# KiCad board Panel2.kicad_pcb (continued)
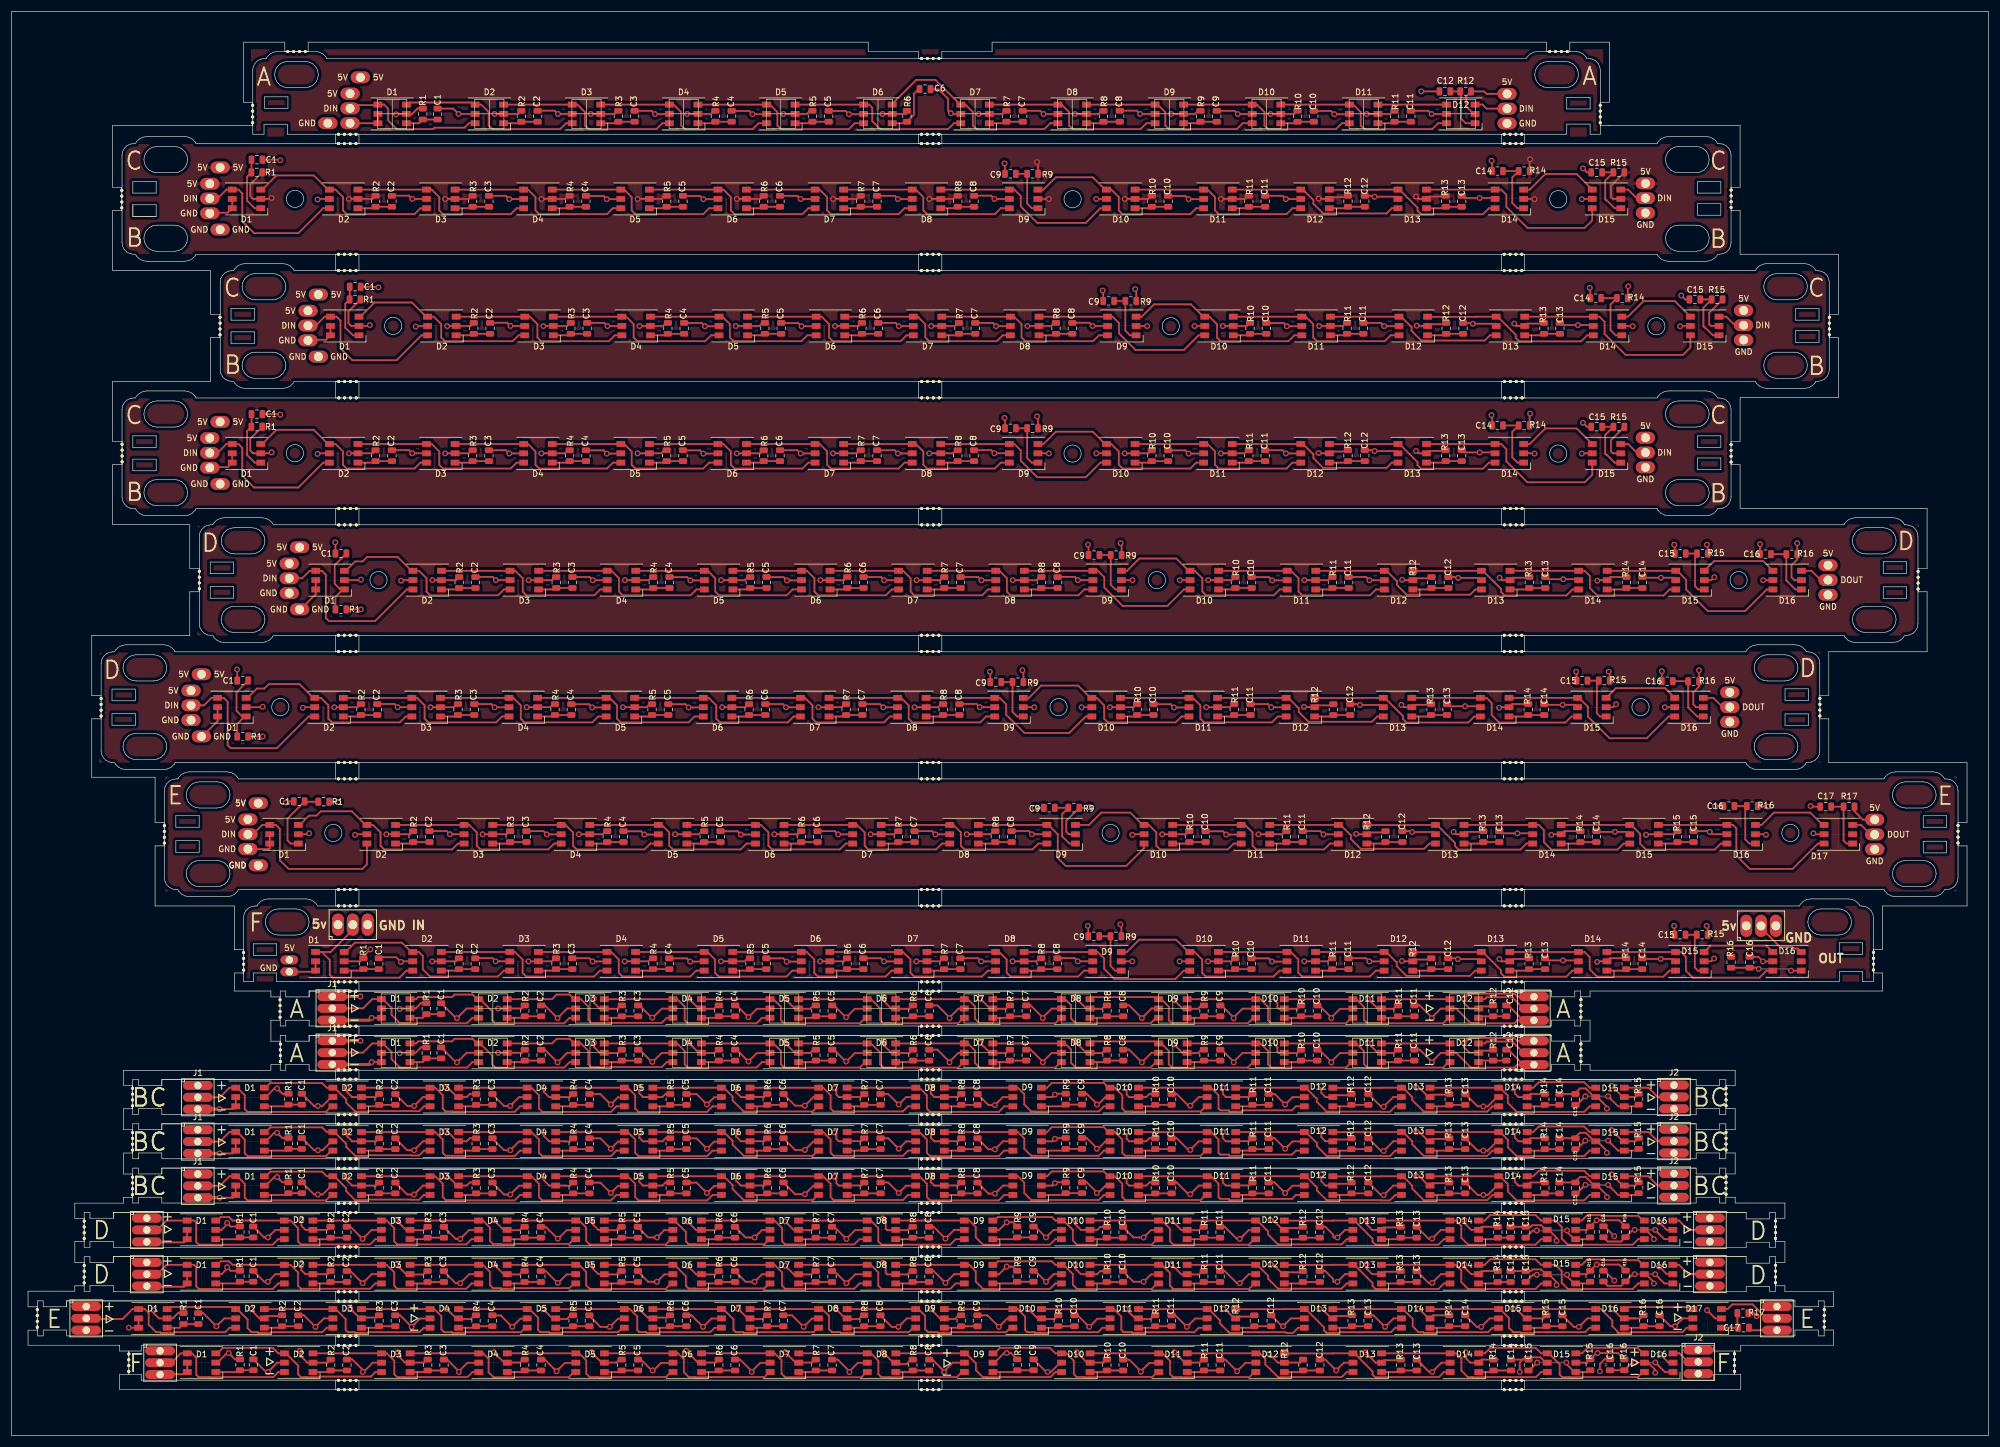
[diagram p0: board, top side]
## Placement (name value [footprint] x y rotation side) (continued)
REF**#18  -  [MousebiteTabSingle4mm]  57.58 76.24 0 top
REF**#19  -  [MousebiteTabSingle4mm]  57.58 199.94 0 top
REF**#20  -  [MousebiteTabSingle4mm]  57.58 9.44 0 top
REF**#21  -  [MousebiteTabSingle4mm]  57.58 17.04 0 top
REF**#22  -  [MousebiteTabSingle4mm]  57.58 24.64 0 top
REF**#23  -  [MousebiteTabSingle4mm]  57.58 32.34 0 top
REF**#24  -  [MousebiteTabSingle4mm]  57.58 39.84 0 top
REF**#25  -  [MousebiteTabSingle4mm]  57.58 47.44 0 top
REF**#26  -  [MousebiteTabSingle4mm]  57.58 55.04 0 top
REF**#27  -  [MousebiteTabSingle4mm]  57.58 62.74 0 top
REF**#28  -  [MousebiteTabSingle4mm]  57.58 70.24 0 top
REF**#29  -  [MousebiteTabSingle4mm]  57.58 77.84 0 top
REF**#30  -  [MousebiteTabSingle4mm]  57.58 202.74 0 top
REF**#31  -  [MousebiteTabSingle4mm]  257.58 9.44 0 top
REF**#32  -  [MousebiteTabSingle4mm]  257.58 17.04 0 top
REF**#33  -  [MousebiteTabSingle4mm]  257.58 24.64 0 top
REF**#34  -  [MousebiteTabSingle4mm]  257.58 32.34 0 top
REF**#35  -  [MousebiteTabSingle4mm]  257.58 39.84 0 top
REF**#36  -  [MousebiteTabSingle4mm]  257.58 47.44 0 top
REF**#37  -  [MousebiteTabSingle4mm]  257.58 55.04 0 top
REF**#38  -  [MousebiteTabSingle4mm]  257.58 62.74 0 top
REF**#39  -  [MousebiteTabSingle4mm]  257.58 70.24 0 top
REF**#40  -  [MousebiteTabSingle4mm]  257.58 77.84 0 top
REF**#41  -  [MousebiteTabSingle4mm]  257.58 202.74 0 top
REF**#42  -  [MousebiteTabSingle4mm]  257.58 7.84 0 top
REF**#43  -  [MousebiteTabSingle4mm]  257.58 15.44 0 top
REF**#44  -  [MousebiteTabSingle4mm]  257.58 23.04 0 top
REF**#45  -  [MousebiteTabSingle4mm]  257.58 30.74 0 top
REF**#46  -  [MousebiteTabSingle4mm]  257.58 38.24 0 top
REF**#47  -  [MousebiteTabSingle4mm]  257.58 45.84 0 top
REF**#48  -  [MousebiteTabSingle4mm]  257.58 53.44 0 top
REF**#49  -  [MousebiteTabSingle4mm]  257.58 61.14 0 top
REF**#50  -  [MousebiteTabSingle4mm]  257.58 68.64 0 top
REF**#51  -  [MousebiteTabSingle4mm]  257.58 76.24 0 top
REF**#52  -  [MousebiteTabSingle4mm]  257.58 199.94 0 top
REF**#53  -  [MousebiteTabSingle4mm]  157.58 7.84 0 top
REF**#54  -  [MousebiteTabSingle4mm]  157.58 15.44 0 top
REF**#55  -  [MousebiteTabSingle4mm]  157.58 23.04 0 top
REF**#56  -  [MousebiteTabSingle4mm]  157.58 30.74 0 top
REF**#57  -  [MousebiteTabSingle4mm]  157.58 38.24 0 top
REF**#58  -  [MousebiteTabSingle4mm]  157.58 45.84 0 top
REF**#59  -  [MousebiteTabSingle4mm]  157.58 53.44 0 top
REF**#60  -  [MousebiteTabSingle4mm]  157.58 61.14 0 top
REF**#61  -  [MousebiteTabSingle4mm]  157.58 68.64 0 top
REF**#62  -  [MousebiteTabSingle4mm]  157.58 76.24 0 top
REF**#63  -  [MousebiteTabSingle4mm]  157.58 199.94 0 top
REF**#64  -  [MousebiteTabSingle4mm]  157.58 77.84 0 top
REF**#65  -  [MousebiteTabSingle4mm]  157.58 9.44 0 top
REF**#66  -  [MousebiteTabSingle4mm]  157.58 17.04 0 top
REF**#67  -  [MousebiteTabSingle4mm]  157.58 24.64 0 top
REF**#68  -  [MousebiteTabSingle4mm]  157.58 32.34 0 top
REF**#69  -  [MousebiteTabSingle4mm]  157.58 39.84 0 top
REF**#70  -  [MousebiteTabSingle4mm]  157.58 47.44 0 top
REF**#71  -  [MousebiteTabSingle4mm]  157.58 55.04 0 top
REF**#72  -  [MousebiteTabSingle4mm]  157.58 62.74 0 top
REF**#73  -  [MousebiteTabSingle4mm]  157.58 202.74 0 top
REF**#74  -  [MousebiteTabSingle4mm]  157.58 93.69 0 top
REF**#75  -  [MousebiteTabSingle4mm]  157.58 115.49 0 top
REF**#76  -  [MousebiteTabSingle4mm]  157.58 137.34 0 top
REF**#77  -  [MousebiteTabSingle4mm]  157.63 159.09 0 top
REF**#78  -  [MousebiteTabSingle4mm]  157.63 180.89 0 top
REF**#79  -  [MousebiteTabSingle4mm]  157.58 90.89 0 top
REF**#80  -  [MousebiteTabSingle4mm]  157.58 112.69 0 top
REF**#81  -  [MousebiteTabSingle4mm]  157.58 134.54 0 top
REF**#82  -  [MousebiteTabSingle4mm]  157.63 156.29 0 top
REF**#83  -  [MousebiteTabSingle4mm]  157.63 178.09 0 top
REF**#84  -  [MousebiteTabSingle4mm]  57.63 156.29 0 top
REF**#85  -  [MousebiteTabSingle4mm]  57.58 90.89 0 top
REF**#86  -  [MousebiteTabSingle4mm]  57.58 112.69 0 top
REF**#87  -  [MousebiteTabSingle4mm]  57.58 134.54 0 top
REF**#88  -  [MousebiteTabSingle4mm]  57.63 178.09 0 top
REF**#89  -  [MousebiteTabSingle4mm]  57.58 93.69 0 top
REF**#90  -  [MousebiteTabSingle4mm]  57.58 115.49 0 top
REF**#91  -  [MousebiteTabSingle4mm]  57.58 137.34 0 top
REF**#92  -  [MousebiteTabSingle4mm]  57.63 159.09 0 top
REF**#93  -  [MousebiteTabSingle4mm]  57.63 180.89 0 top
REF**#94  -  [MousebiteTabSingle4mm]  257.58 90.89 0 top
REF**#95  -  [MousebiteTabSingle4mm]  257.58 112.69 0 top
REF**#96  -  [MousebiteTabSingle4mm]  257.58 134.54 0 top
REF**#97  -  [MousebiteTabSingle4mm]  257.63 156.29 0 top
REF**#98  -  [MousebiteTabSingle4mm]  257.63 178.09 0 top
REF**#99  -  [MousebiteTabSingle4mm]  257.58 93.69 0 top
REF**#100  -  [MousebiteTabSingle4mm]  257.58 115.49 0 top
REF**#101  -  [MousebiteTabSingle4mm]  257.58 137.34 0 top
REF**#102  -  [MousebiteTabSingle4mm]  257.63 159.09 0 top
REF**#103  -  [MousebiteTabSingle4mm]  257.63 180.89 0 top
REF**#104  -  [MousebiteTabSingle4mm]  310.98 20.09 90 top
REF**#105  -  [MousebiteTabSingle4mm]  295.58 12.49 90 top
REF**#106  -  [MousebiteTabSingle4mm]  302.63 27.69 90 top
REF**#107  -  [MousebiteTabSingle4mm]  319.43 81.39 90 top
REF**#108  -  [MousebiteTabSingle4mm]  327.08 146.79 90 top
REF**#109  -  [MousebiteTabSingle4mm]  310.23 124.99 90 top
REF**#110  -  [MousebiteTabSingle4mm]  333.93 103.19 90 top
REF**#111  -  [MousebiteTabSingle4mm]  269.23 73.29 90 top
REF**#112  -  [MousebiteTabSingle4mm]  269.23 65.69 90 top
REF**#113  -  [MousebiteTabSingle4mm]  294.13 58.09 90 top
REF**#114  -  [MousebiteTabSingle4mm]  294.13 50.49 90 top
REF**#115  -  [MousebiteTabSingle4mm]  294.13 42.89 90 top
REF**#116  -  [MousebiteTabSingle4mm]  302.63 35.29 90 top
REF**#117  -  [MousebiteTabSingle4mm]  20.1 12.47 90 top
REF**#118  -  [MousebiteTabSingle4mm]  4.4 20.07 90 top
REF**#119  -  [MousebiteTabSingle4mm]  12.45 27.67 90 top
REF**#120  -  [MousebiteTabSingle4mm]  12.45 35.27 90 top
REF**#121  -  [MousebiteTabSingle4mm]  20.75 42.82 90 top
REF**#122  -  [MousebiteTabSingle4mm]  20.75 50.47 90 top
REF**#123  -  [MousebiteTabSingle4mm]  20.75 58.07 90 top
REF**#124  -  [MousebiteTabSingle4mm]  46.1 65.67 90 top
REF**#125  -  [MousebiteTabSingle4mm]  46.05 73.27 90 top
REF**#126  -  [MousebiteTabSingle4mm]  39.8 81.37 90 top
REF**#127  -  [MousebiteTabSingle4mm]  26.2 103.17 90 top
REF**#128  -  [MousebiteTabSingle4mm]  15.35 124.97 90 top
REF**#129  -  [MousebiteTabSingle4mm]  32.2 146.82 90 top
REF**#130  -  [MousebiteTabSingle4mm]  18.95 168.62 90 top
REF**#131  -  [MousebiteTabSingle4mm]  35.75 190.42 90 top
REF**#132  -  [MousebiteTabSingle4mm]  18.9 212.22 90 top
REF**#133  -  [MousebiteTabSingle4mm]  41.35 226.82 90 top
REF**#134  -  [MousebiteTabSingle4mm]  157.59 236.36 180 top
REF**#135  -  [MousebiteTabSingle4mm]  272.55 226.82 90 top
REF**#136  -  [MousebiteTabSingle4mm]  295 212.27 90 top
REF**#137  -  [MousebiteTabSingle4mm]  311.85 190.42 90 top
REF**#138  -  [MousebiteTabSingle4mm]  295 168.57 90 top
REF**#139  -  [MousebiteTabSingle4mm]  157.58 70.24 0 top

## Footprints (pads in the part's own frame, mm; a bottom-side part is the same pattern mirrored in y, then rotated)
1x3_18awgWireSolderPad
  oval 3.81x2.032 hole 1.524: 1(0,0) 2(0,-2.54) 3(0,-5.08)
1x3_18awgWireSolderPad-5mm
  oval 5.08x1.524 hole 1.27: 1(0,0) 2(0,-2.032) 3(0,-4.064)
1x3_18awgWireSolderPad-InsideStrut
  oval 3.302x2.032 hole 1.524: 1(0,2.54) 1(1.778,5.334) 2(0,0) 3(0,-2.54) 3(1.778,-5.334)
1x3_18awgWireSolderPad-InsideStrut-IN-Edge
  oval 3.302x2.032 hole 1.524: 1(0,2.54) 1(1.778,5.334) 2(0,0) 3(-3.81,-2.54) 3(0,-2.54)
1x3_18awgWireSolderPad-InsideStrut-OUT
  oval 3.302x2.032 hole 1.524: 1(0,2.54) 2(0,0) 3(0,-2.54)
1x3_18awgWireSolderPad-InsideStrut-OUT-Edge
  oval 3.302x2.032 hole 1.524: 1(0,2.54) 2(0,0) 3(0,-2.54)
1x3_18awgWireSolderPad-InsideStrut-PWR
  oval 3.048x1.524 hole 1.27: 1(0,2.54) 2(0,0.508)
C_0805_2012Metric
  rrect 0.975x1.4 smd: 1(-0.938,0) 2(0.938,0)
LED_WS2812_PLCC6_5.0x5.0mm_P1.6mm
  rect 1.5x1 smd: 1(-2.45,1.6) 2(-2.45,0) 3(-2.45,-1.6) 4(2.45,-1.6) 5(2.45,0) 6(2.45,1.6)
MousebiteTabSingle4mm
  round 0.5 hole 0.5: (-1.5,0) (-0.5,0) (0.5,0) (1.5,0)
R_0805_2012Metric
  rrect 0.975x1.4 smd: 1(-0.938,0) 2(0.938,0)

## Nets
+5V: D1.2 D2.2 D3.2 D4.2 D5.2 D6.2 D7.2 D8.2 D9.2 D10.2 D11.2 D12.2 D13.2 D14.2 D15.2 J1#17.1 J2#17.1 R1.1 R2.1 R3.1 R4.1 R5.1 R6.1 R7.1 R8.1 R9.1 R10.1 R11.1 R12.1 R13.1 R14.1 R15.1
GND: C1.2 C2.2 C3.2 C4.2 C5.2 C6.2 C7.2 C8.2 C9.2 C10.2 C11.2 C12.2 C13.2 C14.2 C15.2 D1.5 D1.6 D2.5 D3.5 D4.5 D5.5 D6.5 D7.5 D8.5 D9.5 D10.5 D11.5 D12.5 D13.5 D14.5 D15.5 J1#17.3 J2#17.3
Net-(C1-Pad1): C1.1 D1.1 R1.2
Net-(C2-Pad1): C2.1 D2.1 R2.2
Net-(C3-Pad1): C3.1 D3.1 R3.2
Net-(C4-Pad1): C4.1 D4.1 R4.2
Net-(C5-Pad1): C5.1 D5.1 R5.2
Net-(C6-Pad1): C6.1 D6.1 R6.2
Net-(C7-Pad1): C7.1 D7.1 R7.2
Net-(C8-Pad1): C8.1 D8.1 R8.2
Net-(C9-Pad1): C9.1 D9.1 R9.2
Net-(C10-Pad1): C10.1 D10.1 R10.2
Net-(C11-Pad1): C11.1 D11.1 R11.2
Net-(C12-Pad1): C12.1 D12.1 R12.2
Net-(C13-Pad1): C13.1 D13.1 R13.2
Net-(C14-Pad1): C14.1 D14.1 R14.2
Net-(C15-Pad1): C15.1 D15.1 R15.2
Net-(D1-Pad3): D1.3 D2.4 D3.6
Net-(D1-Pad4): D1.4 D2.6 J1#17.2
Net-(D2-Pad3): D2.3 D3.4 D4.6
Net-(D3-Pad3): D3.3 D4.4 D5.6
Net-(D4-Pad3): D4.3 D5.4 D6.6
Net-(D5-Pad3): D5.3 D6.4 D7.6
Net-(D6-Pad3): D6.3 D7.4 D8.6
Net-(D7-Pad3): D7.3 D8.4 D9.6
Net-(D10-Pad3): D10.3 D11.4 D12.6
Net-(D10-Pad4): D9.3 D10.4 D11.6
Net-(D10-Pad6): D8.3 D9.4 D10.6
Net-(D11-Pad3): D11.3 D12.4 D13.6
Net-(D12-Pad3): D12.3 D13.4 D14.6
Net-(D13-Pad3): D13.3 D14.4 D15.6
Net-(D14-Pad3): D14.3 D15.4
Net-(D15-Pad3): D15.3 J2#17.2

Pads without a net: C1#2 1 2; C1#3 1 2; C1#4 1 2; C1#5 1 2; C1#6 1 2; C1#7 1 2; C1#8 1 2; C1#9 1 2; C1#10 1 2; C1#11 1 2; C1#12 1 2; C1#13 1 2; C1#14 1 2; C1#15 1 2; C1#16 1 2; C1#17 1 2; C2#2 1 2; C2#3 1 2; C2#4 1 2; C2#5 1 2; C2#6 1 2; C2#7 1 2; C2#8 1 2; C2#9 1 2; C2#10 1 2; C2#11 1 2; C2#12 1 2; C2#13 1 2; C2#14 1 2; C2#15 1 2; C2#16 1 2; C2#17 1 2; C3#2 1 2; C3#3 1 2; C3#4 1 2; C3#5 1 2; C3#6 1 2; C3#7 1 2; C3#8 1 2; C3#9 1 2; C3#10 1 2; C3#11 1 2; C3#12 1 2; C3#13 1 2; C3#14 1 2; C3#15 1 2; C3#16 1 2; C3#17 1 2; C4#2 1 2; C4#3 1 2; C4#4 1 2; C4#5 1 2; C4#6 1 2; C4#7 1 2; C4#8 1 2; C4#9 1 2; C4#10 1 2; C4#11 1 2; C4#12 1 2; C4#13 1 2; C4#14 1 2; C4#15 1 2; C4#16 1 2; C4#17 1 2; C5#2 1 2; C5#3 1 2; C5#4 1 2; C5#5 1 2; C5#6 1 2; C5#7 1 2; C5#8 1 2; C5#9 1 2; C5#10 1 2; C5#11 1 2; C5#12 1 2; C5#13 1 2; C5#14 1 2; C5#15 1 2; C5#16 1 2; C5#17 1 2; C6#2 1 2; C6#3 1 2; C6#4 1 2; C6#5 1 2; C6#6 1 2; C6#7 1 2; C6#8 1 2; C6#9 1 2; C6#10 1 2; C6#11 1 2; C6#12 1 2; C6#13 1 2; C6#14 1 2; C6#15 1 2; C6#16 1 2; C6#17 1 2; C7#2 1 2; C7#3 1 2; C7#4 1 2; C7#5 1 2; C7#6 1 2; C7#7 1 2; C7#8 1 2; C7#9 1 2; C7#10 1 2; C7#11 1 2; C7#12 1 2; C7#13 1 2; C7#14 1 2; C7#15 1 2; C7#16 1 2; C7#17 1 2; C8#2 1 2; C8#3 1 2; C8#4 1 2; C8#5 1 2; C8#6 1 2; C8#7 1 2; C8#8 1 2; C8#9 1 2; C8#10 1 2; C8#11 1 2; C8#12 1 2; C8#13 1 2; C8#14 1 2; C8#15 1 2; C8#16 1 2; C8#17 1 2; C9#2 1 2; C9#3 1 2; C9#4 1 2; C9#5 1 2; C9#6 1 2; C9#7 1 2; C9#8 1 2; C9#9 1 2; C9#10 1 2; C9#11 1 2; C9#12 1 2; C9#13 1 2; C9#14 1 2; C9#15 1 2; C9#16 1 2; C9#17 1 2; C10#2 1 2; C10#3 1 2; C10#4 1 2; C10#5 1 2; C10#6 1 2; C10#7 1 2; C10#8 1 2; C10#9 1 2; C10#10 1 2; C10#11 1 2; C10#12 1 2; C10#13 1 2; C10#14 1 2; C10#15 1 2; C10#16 1 2; C10#17 1 2; C11#2 1 2; C11#3 1 2; C11#4 1 2; C11#5 1 2; C11#6 1 2; C11#7 1 2; C11#8 1 2; C11#9 1 2; C11#10 1 2; C11#11 1 2; C11#12 1 2; C11#13 1 2; C11#14 1 2; C11#15 1 2; C11#16 1 2; C11#17 1 2; C12#2 1 2; C12#3 1 2; C12#4 1 2; C12#5 1 2; C12#6 1 2; C12#7 1 2; C12#8 1 2; C12#9 1 2; C12#10 1 2; C12#11 1 2; C12#12 1 2; C12#13 1 2; C12#14 1 2; C12#15 1 2; C12#16 1 2; C12#17 1 2; C13#2 1 2; C13#3 1 2; C13#4 1 2; C13#5 1 2; C13#6 1 2; C13#7 1 2; C13#8 1 2; C13#9 1 2; C13#10 1 2; C13#11 1 2; C13#12 1 2; C13#13 1 2; C13#14 1 2; C14#2 1 2; C14#3 1 2; C14#4 1 2; C14#5 1 2; C14#6 1 2; C14#7 1 2; C14#8 1 2; C14#9 1 2; C14#10 1 2; C14#11 1 2; C14#12 1 2; C14#13 1 2; C14#14 1 2; C15#2 1 2; C15#3 1 2; C15#4 1 2; C15#5 1 2; C15#6 1 2; C15#7 1 2; C15#8 1 2; C15#9 1 2; C15#10 1 2; C15#11 1 2; C15#12 1 2; C15#13 1 2; C15#14 1 2; C16 1 2; C16#2 1 2; C16#3 1 2; C16#4 1 2; C16#5 1 2; C16#6 1 2; C16#7 1 2; C16#8 1 2; C17 1 2; C17#2 1 2; D1#2 1 2 3 4 5 6; D1#3 1 2 3 4 5 6; D1#4 1 2 3 4 5 6; D1#5 1 2 3 4 5 6; D1#6 1 2 3 4 5 6; D1#7 1 2 3 4 5 6; D1#8 1 2 3 4 5 6; D1#9 1 2 3 4 5 6; D1#10 1 2 3 4 5 6; D1#11 1 2 3 4 5 6; D1#12 1 2 3 4 5 6; D1#13 1 2 3 4 5 6; D1#14 1 2 3 4 5 6; D1#15 1 2 3 4 5 6; D1#16 1 2 3 4 5 6; D1#17 1 2 3 4 5 6; D2#2 1 2 3 4 5 6; D2#3 1 2 3 4 5 6; D2#4 1 2 3 4 5 6; D2#5 1 2 3 4 5 6; D2#6 1 2 3 4 5 6; D2#7 1 2 3 4 5 6; D2#8 1 2 3 4 5 6; D2#9 1 2 3 4 5 6; D2#10 1 2 3 4 5 6; D2#11 1 2 3 4 5 6; D2#12 1 2 3 4 5 6; D2#13 1 2 3 4 5 6; D2#14 1 2 3 4 5 6; D2#15 1 2 3 4 5 6; D2#16 1 2 3 4 5 6; D2#17 1 2 3 4 5 6; D3#2 1 2 3 4 5 6; D3#3 1 2 3 4 5 6; D3#4 1 2 3 4 5 6; D3#5 1 2 3 4 5 6; D3#6 1 2 3 4 5 6; D3#7 1 2 3 4 5 6; D3#8 1 2 3 4 5 6; D3#9 1 2 3 4 5 6; D3#10 1 2 3 4 5 6; D3#11 1 2 3 4 5 6; D3#12 1 2 3 4 5 6; D3#13 1 2 3 4 5 6; D3#14 1 2 3 4 5 6; D3#15 1 2 3 4 5 6; D3#16 1 2 3 4 5 6; D3#17 1 2 3 4 5 6; D4#2 1 2 3 4 5 6; D4#3 1 2 3 4 5 6; D4#4 1 2 3 4 5 6; D4#5 1 2 3 4 5 6; D4#6 1 2 3 4 5 6; D4#7 1 2 3 4 5 6; D4#8 1 2 3 4 5 6; D4#9 1 2 3 4 5 6; D4#10 1 2 3 4 5 6; D4#11 1 2 3 4 5 6; D4#12 1 2 3 4 5 6; D4#13 1 2 3 4 5 6; D4#14 1 2 3 4 5 6; D4#15 1 2 3 4 5 6; D4#16 1 2 3 4 5 6; D4#17 1 2 3 4 5 6; D5#2 1 2 3 4 5 6; D5#3 1 2 3 4 5 6; D5#4 1 2 3 4 5 6; D5#5 1 2 3 4 5 6; D5#6 1 2 3 4 5 6; D5#7 1 2 3 4 5 6; D5#8 1 2 3 4 5 6; D5#9 1 2 3 4 5 6; D5#10 1 2 3 4 5 6; D5#11 1 2 3 4 5 6; D5#12 1 2 3 4 5 6; D5#13 1 2 3 4 5 6; D5#14 1 2 3 4 5 6; D5#15 1 2 3 4 5 6; D5#16 1 2 3 4 5 6; D5#17 1 2 3 4 5 6; D6#2 1 2 3 4 5 6; D6#3 1 2 3 4 5 6; D6#4 1 2 3 4 5 6; D6#5 1 2 3 4 5 6; D6#6 1 2 3 4 5 6; D6#7 1 2 3 4 5 6; D6#8 1 2 3 4 5 6; D6#9 1 2 3 4 5 6; D6#10 1 2 3 4 5 6; D6#11 1 2 3 4 5 6; D6#12 1 2 3 4 5 6; D6#13 1 2 3 4 5 6; D6#14 1 2 3 4 5 6; D6#15 1 2 3 4 5 6; D6#16 1 2 3 4 5 6; D6#17 1 2 3 4 5 6; D7#2 1 2 3 4 5 6; D7#3 1 2 3 4 5 6; D7#4 1 2 3 4 5 6; D7#5 1 2 3 4 5 6; D7#6 1 2 3 4 5 6; D7#7 1 2 3 4 5 6; D7#8 1 2 3 4 5 6; D7#9 1 2 3 4 5 6; D7#10 1 2 3 4 5 6; D7#11 1 2 3 4 5 6; D7#12 1 2 3 4 5 6; D7#13 1 2 3 4 5 6; D7#14 1 2 3 4 5 6; D7#15 1 2 3 4 5 6; D7#16 1 2 3 4 5 6; D7#17 1 2 3 4 5 6; D8#2 1 2 3 4 5 6; D8#3 1 2 3 4 5 6; D8#4 1 2 3 4 5 6; D8#5 1 2 3 4 5 6; D8#6 1 2 3 4 5 6; D8#7 1 2 3 4 5 6; D8#8 1 2 3 4 5 6; D8#9 1 2 3 4 5 6; D8#10 1 2 3 4 5 6; D8#11 1 2 3 4 5 6; D8#12 1 2 3 4 5 6; D8#13 1 2 3 4 5 6; D8#14 1 2 3 4 5 6; D8#15 1 2 3 4 5 6; D8#16 1 2 3 4 5 6; D8#17 1 2 3 4 5 6; D9#2 1 2 3 4 5 6; D9#3 1 2 3 4 5 6; D9#4 1 2 3 4 5 6; D9#5 1 2 3 4 5 6; D9#6 1 2 3 4 5 6; D9#7 1 2 3 4 5 6; D9#8 1 2 3 4 5 6; D9#9 1 2 3 4 5 6; D9#10 1 2 3 4 5 6; D9#11 1 2 3 4 5 6; D9#12 1 2 3 4 5 6; D9#13 1 2 3 4 5 6; D9#14 1 2 3 4 5 6; D9#15 1 2 3 4 5 6; D9#16 1 2 3 4 5 6; D9#17 1 2 3 4 5 6; D10#2 1 2 3 4 5 6; D10#3 1 2 3 4 5 6; D10#4 1 2 3 4 5 6; D10#5 1 2 3 4 5 6; D10#6 1 2 3 4 5 6; D10#7 1 2 3 4 5 6; D10#8 1 2 3 4 5 6; D10#9 1 2 3 4 5 6; D10#10 1 2 3 4 5 6; D10#11 1 2 3 4 5 6; D10#12 1 2 3 4 5 6; D10#13 1 2 3 4 5 6; D10#14 1 2 3 4 5 6; D10#15 1 2 3 4 5 6; D10#16 1 2 3 4 5 6; D10#17 1 2 3 4 5 6; D11#2 1 2 3 4 5 6; D11#3 1 2 3 4 5 6; D11#4 1 2 3 4 5 6; D11#5 1 2 3 4 5 6; D11#6 1 2 3 4 5 6; D11#7 1 2 3 4 5 6; D11#8 1 2 3 4 5 6; D11#9 1 2 3 4 5 6; D11#10 1 2 3 4 5 6; D11#11 1 2 3 4 5 6; D11#12 1 2 3 4 5 6; D11#13 1 2 3 4 5 6; D11#14 1 2 3 4 5 6; D11#15 1 2 3 4 5 6; D11#16 1 2 3 4 5 6; D11#17 1 2 3 4 5 6; D12#2 1 2 3 4 5 6; D12#3 1 2 3 4 5 6; D12#4 1 2 3 4 5 6; D12#5 1 2 3 4 5 6; D12#6 1 2 3 4 5 6; D12#7 1 2 3 4 5 6; D12#8 1 2 3 4 5 6; D12#9 1 2 3 4 5 6; D12#10 1 2 3 4 5 6; D12#11 1 2 3 4 5 6; D12#12 1 2 3 4 5 6; D12#13 1 2 3 4 5 6; D12#14 1 2 3 4 5 6; D12#15 1 2 3 4 5 6; D12#16 1 2 3 4 5 6; D12#17 1 2 3 4 5 6; D13#2 1 2 3 4 5 6; D13#3 1 2 3 4 5 6; D13#4 1 2 3 4 5 6; D13#5 1 2 3 4 5 6; D13#6 1 2 3 4 5 6; D13#7 1 2 3 4 5 6; D13#8 1 2 3 4 5 6; D13#9 1 2 3 4 5 6; D13#10 1 2 3 4 5 6; D13#11 1 2 3 4 5 6; D13#12 1 2 3 4 5 6; D13#13 1 2 3 4 5 6; D13#14 1 2 3 4 5 6; D14#2 1 2 3 4 5 6; D14#3 1 2 3 4 5 6; D14#4 1 2 3 4 5 6; D14#5 1 2 3 4 5 6; D14#6 1 2 3 4 5 6; D14#7 1 2 3 4 5 6; D14#8 1 2 3 4 5 6; D14#9 1 2 3 4 5 6; D14#10 1 2 3 4 5 6; D14#11 1 2 3 4 5 6; D14#12 1 2 3 4 5 6; D14#13 1 2 3 4 5 6; D14#14 1 2 3 4 5 6; D15#2 1 2 3 4 5 6; D15#3 1 2 3 4 5 6; D15#4 1 2 3 4 5 6; D15#5 1 2 3 4 5 6; D15#6 1 2 3 4 5 6; D15#7 1 2 3 4 5 6; D15#8 1 2 3 4 5 6; D15#9 1 2 3 4 5 6; D15#10 1 2 3 4 5 6; D15#11 1 2 3 4 5 6; D15#12 1 2 3 4 5 6; D15#13 1 2 3 4 5 6; D15#14 1 2 3 4 5 6; D16 1 2 3 4 5 6; D16#2 1 2 3 4 5 6; D16#3 1 2 3 4 5 6; D16#4 1 2 3 4 5 6; D16#5 1 2 3 4 5 6; D16#6 1 2 3 4 5 6; D16#7 1 2 3 4 5 6; D16#8 1 2 3 4 5 6; D17 1 2 3 4 5 6; D17#2 1 2 3 4 5 6; J1 1 2 3; J1#2 1 2 3; J1#3 1 2 3; J1#4 1 2 3; J1#5 1 2 3; J1#6 1 2 3; J1#7 1 2 3; J1#8 1 2 3; J1#9 1 2 3; J1#10 1 2 3; J1#11 1 2 3; J1#12 1 2 3; J1#13 1 2 3; J1#14 1 2 3; J1#15 1 2 3; J1#16 1 2 3; J2 1 2 3; J2#2 1 2 3; J2#3 1 2 3; J2#4 1 2 3; J2#5 1 2 3; J2#6 1 2 3; J2#7 1 2 3; J2#8 1 2 3; J2#9 1 2 3; J2#10 1 2 3; J2#11 1 2 3; J2#12 1 2 3; J2#13 1 2 3; J2#14 1 2 3; J2#15 1 2 3; J2#16 1 2 3; J3 1 2; R1#2 1 2; R1#3 1 2; R1#4 1 2; R1#5 1 2; R1#6 1 2; R1#7 1 2; R1#8 1 2; R1#9 1 2; R1#10 1 2; R1#11 1 2; R1#12 1 2; R1#13 1 2; R1#14 1 2; R1#15 1 2; R1#16 1 2; R1#17 1 2; R2#2 1 2; R2#3 1 2; R2#4 1 2; R2#5 1 2; R2#6 1 2; R2#7 1 2; R2#8 1 2; R2#9 1 2; R2#10 1 2; R2#11 1 2; R2#12 1 2; R2#13 1 2; R2#14 1 2; R2#15 1 2; R2#16 1 2; R2#17 1 2; R3#2 1 2; R3#3 1 2; R3#4 1 2; R3#5 1 2; R3#6 1 2; R3#7 1 2; R3#8 1 2; R3#9 1 2; R3#10 1 2; R3#11 1 2; R3#12 1 2; R3#13 1 2; R3#14 1 2; R3#15 1 2; R3#16 1 2; R3#17 1 2; R4#2 1 2; R4#3 1 2; R4#4 1 2; R4#5 1 2; R4#6 1 2; R4#7 1 2; R4#8 1 2; R4#9 1 2; R4#10 1 2; R4#11 1 2; R4#12 1 2; R4#13 1 2; R4#14 1 2; R4#15 1 2; R4#16 1 2; R4#17 1 2; R5#2 1 2; R5#3 1 2; R5#4 1 2; R5#5 1 2; R5#6 1 2; R5#7 1 2; R5#8 1 2; R5#9 1 2; R5#10 1 2; R5#11 1 2; R5#12 1 2; R5#13 1 2; R5#14 1 2; R5#15 1 2; R5#16 1 2; R5#17 1 2; R6#2 1 2; R6#3 1 2; R6#4 1 2; R6#5 1 2; R6#6 1 2; R6#7 1 2; R6#8 1 2; R6#9 1 2; R6#10 1 2; R6#11 1 2; R6#12 1 2; R6#13 1 2; R6#14 1 2; R6#15 1 2; R6#16 1 2; R6#17 1 2; R7#2 1 2; R7#3 1 2; R7#4 1 2; R7#5 1 2; R7#6 1 2; R7#7 1 2; R7#8 1 2; R7#9 1 2; R7#10 1 2; R7#11 1 2; R7#12 1 2; R7#13 1 2; R7#14 1 2; R7#15 1 2; R7#16 1 2; R7#17 1 2; R8#2 1 2; R8#3 1 2; R8#4 1 2; R8#5 1 2; R8#6 1 2; R8#7 1 2; R8#8 1 2; R8#9 1 2; R8#10 1 2; R8#11 1 2; R8#12 1 2; R8#13 1 2; R8#14 1 2; R8#15 1 2; R8#16 1 2; R8#17 1 2; R9#2 1 2; R9#3 1 2; R9#4 1 2; R9#5 1 2; R9#6 1 2; R9#7 1 2; R9#8 1 2; R9#9 1 2; R9#10 1 2; R9#11 1 2; R9#12 1 2; R9#13 1 2; R9#14 1 2; R9#15 1 2; R9#16 1 2; R9#17 1 2; R10#2 1 2; R10#3 1 2; R10#4 1 2; R10#5 1 2; R10#6 1 2; R10#7 1 2; R10#8 1 2; R10#9 1 2; R10#10 1 2; R10#11 1 2; R10#12 1 2; R10#13 1 2; R10#14 1 2; R10#15 1 2; R10#16 1 2; R10#17 1 2; R11#2 1 2; R11#3 1 2; R11#4 1 2; R11#5 1 2; R11#6 1 2; R11#7 1 2; R11#8 1 2; R11#9 1 2; R11#10 1 2; R11#11 1 2; R11#12 1 2; R11#13 1 2; R11#14 1 2; R11#15 1 2; R11#16 1 2; R11#17 1 2; R12#2 1 2; R12#3 1 2; R12#4 1 2; R12#5 1 2; R12#6 1 2; R12#7 1 2; R12#8 1 2; R12#9 1 2; R12#10 1 2; R12#11 1 2; R12#12 1 2; R12#13 1 2; R12#14 1 2; R12#15 1 2; R12#16 1 2; R12#17 1 2; R13#2 1 2; R13#3 1 2; R13#4 1 2; R13#5 1 2; R13#6 1 2; R13#7 1 2; R13#8 1 2; R13#9 1 2; R13#10 1 2; R13#11 1 2; R13#12 1 2; R13#13 1 2; R13#14 1 2; R14#2 1 2; R14#3 1 2; R14#4 1 2; R14#5 1 2; R14#6 1 2; R14#7 1 2; R14#8 1 2; R14#9 1 2; R14#10 1 2; R14#11 1 2; R14#12 1 2; R14#13 1 2; R14#14 1 2; R15#2 1 2; R15#3 1 2; R15#4 1 2; R15#5 1 2; R15#6 1 2; R15#7 1 2; R15#8 1 2; R15#9 1 2; R15#10 1 2; R15#11 1 2; R15#12 1 2; R15#13 1 2; R15#14 1 2; R16 1 2; R16#2 1 2; R16#3 1 2; R16#4 1 2; R16#5 1 2; R16#6 1 2; R16#7 1 2; R16#8 1 2; R17 1 2; R17#2 1 2

## Via types
v1: diameter 1, hole 0.6, Top to Bottom, 564 vias
